# KiCad board Marble.kicad_pcb (continued)
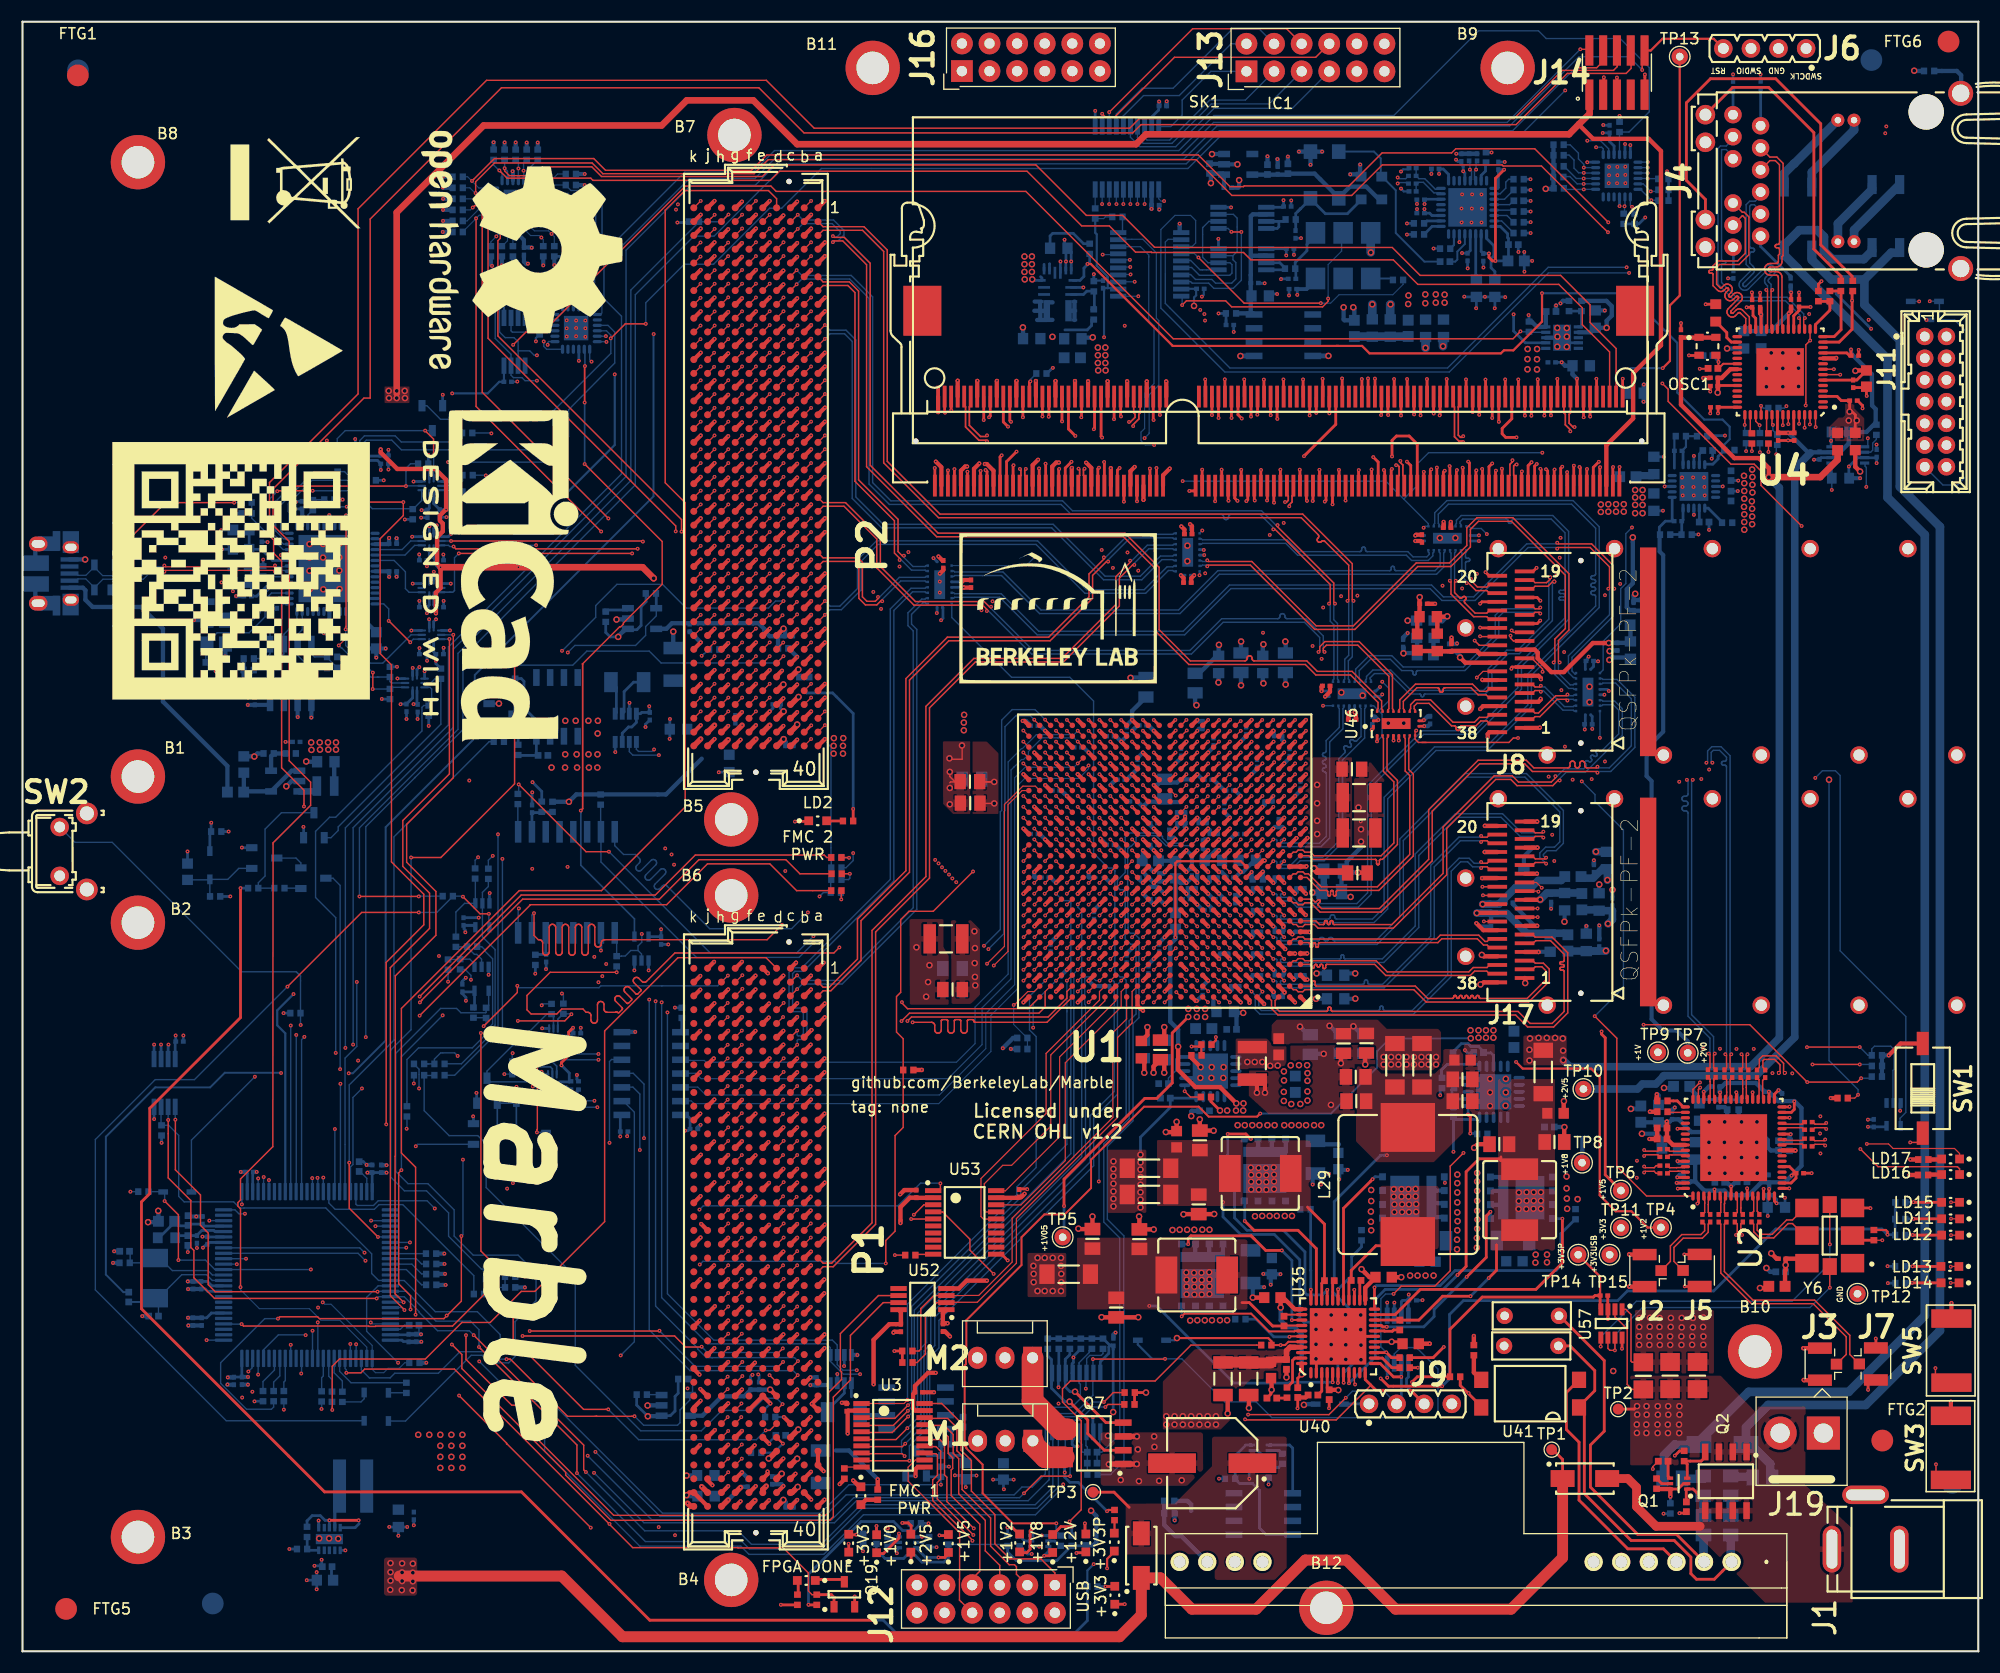
[diagram p0: board, top side]
## Routing (per net, layer and track width the routed paths; a pad name or vN(x,y) marks a point on that pad's centre or on a via; arc(x,y) is an arc through that point) (continued)
  Bottom w0.13: 127.56,135.73 127.48,135.73 127.3,135.55 126.68,135.55 v1(126.57,135.66)
/FPGA/FPGA_33_34/LD16_T: length 56.6
  Top w0.102: v1(106.13,78.77) 105.67,79.23 U1.Y13
  In4.Cu w0.102: v1(106.13,78.77) 104.52,80.38 104.52,94.99 105.1,95.57 105.1,110.09 v1(104.15,111.04)
  Bottom w0.112: 103.65,128.33 103.65,122.48 104.14,122 104.14,116.69 103.27,115.83 103.27,112.55 102.94,112.22 102.94,111.44 103.34,111.04 v1(104.15,111.04) ; 103.65,128.33 103.65,128.41 ; 103.65,128.33 103.65,128.53 102.89,129.29 U42.8
/FPGA/FPGA_33_34/LD17_T: length 59.5
  Top w0.102: U1.V12 v1(107.12,77.73)
  In4.Cu w0.102: v1(103.27,111.67) 104.09,111.67 105.97,109.79 105.97,108.45 105.46,107.94 105.46,95.63 104.73,94.91 104.73,80.75 106.46,79.02 106.46,78.39 v1(107.12,77.73)
  Bottom w0.112: 100.83,129.98 103.1,129.98 104.35,128.73 104.35,128.73 104.35,122.71 104.58,122.48 104.58,116.55 103.69,115.66 103.69,112.09 v1(103.27,111.67)
/FPGA/FPGA_33_34/VCXO_EN_T: length 53.1
  Top w0.11: 109.61,77.23 v1(110.11,77.73)
  In9.Cu w0.102: 104.05,122.61 106.75,119.9 106.75,111.08 108.05,109.79 108.05,99.89 107.46,99.3 107.46,98.01 108.18,97.3 108.18,88.23 108.78,87.62 108.78,83.13 108.79,83.12 108.79,81.54 109.75,80.58 109.75,78.09 v1(110.11,77.73)
  In9.Cu w0.112: v1(102.69,124.73) 102.69,123.97 104.05,122.61
  Bottom w0.112: v1(102.69,124.73) 100.88,124.73 100.83,124.78
/FPGA/FPGA_33_34/WR_DAC1_SYNC_T: length 53.4
  Top w0.102: U1.W10 v1(109.09,78.7)
  In9.Cu w0.102: 103.72,122.43 106.32,119.83 106.32,110.87 107.72,109.48 107.72,107.08 ; 107.72,107.08 107.72,107.19 ; 107.72,107.08 107.72,104.1 107.84,103.97 107.84,103.63 107.66,103.45 107.66,100 107.19,99.52 107.19,97.58 107.87,96.89 107.87,87.94 108.5,87.3 108.5,84.82 108.46,84.78 108.46,81.45 108.66,81.24 108.66,80.71 109.45,79.92 109.45,79.06 v1(109.09,78.7)
  In9.Cu w0.112: 103.78,122.37 102.36,123.79 v1(102.36,126.06)
  Bottom w0.112: 100.83,126.08 100.84,126.06 v1(102.36,126.06)
/FPGA/FPGA_33_34/WR_DAC2_SYNC_T: length 53.7
  Top w0.11: 107.64,79.2 v1(108.14,79.7)
  In9.Cu w0.102: 105.99,106.86 105.99,106.99 ; 105.99,106.86 105.99,109.38 105.23,110.14 105.23,115.81 104.93,116.12 104.93,119.47 102.64,121.76 ; 105.99,106.86 105.99,96.54 106.75,95.77 106.75,81.61 107.49,80.87 107.49,80.35 v1(108.14,79.7)
  In9.Cu w0.112: v1(101.91,128.08) 101.9,128.07 101.42,128.07 101.28,127.93 101.28,123.12 102.64,121.76
  Bottom w0.112: 100.83,128.03 100.89,128.08 v1(101.91,128.08)
/FPGA/FPGA_33_34/WR_DAC_DIN_T: length 52.3
  Top w0.11: 108.6,79.21 v1(109.1,79.71)
  In9.Cu w0.102: v1(109.1,79.71) 108.46,80.36 108.46,81.02 108.07,81.4 107.96,81.4 107.79,81.57 107.79,86.61 107.6,86.8 107.6,96.58 106.94,97.24 106.94,99.21 106.64,99.51 106.64,102.67 106.99,103.02 106.99,107.42 107.11,107.53 107.11,107.87 106.99,107.98 106.99,109.46 105.94,110.52 105.94,119.54 103.29,122.19
  In9.Cu w0.112: 103.29,122.19 101.98,123.5 101.98,126.73 v1(101.98,126.74)
  Bottom w0.112: v1(101.98,126.74) 100.84,126.74 100.83,126.73
/FPGA/FPGA_33_34/WR_DAC_SCLK_T: length 54.7
  Top w0.102: U1.V11 107.62,77.24 v1(108.11,77.73)
  In9.Cu w0.102: 102.97,121.92 105.6,119.29 105.6,110.24 106.28,109.55 106.28,97.06 107.21,96.13 107.21,86.55 107.49,86.27 107.49,81.4 107.79,81.1 107.79,80.53 108.58,79.75 108.58,78.2 v1(108.11,77.73)
  In9.Cu w0.112: v1(101.95,127.42) 101.65,127.12 101.65,123.24 102.97,121.92
  Bottom w0.112: 100.83,127.38 100.88,127.42 v1(101.95,127.42)
/FPGA/FPGA_DONE: length 189.8
  Top w0.102: U1.J7 v1(112.12,67.73)
  Top w0.127: R162.2 72.66,5.21 72.34,5.54 72.34,7.2 70.03,9.52 65.86,9.52 65.83,9.54 56.16,9.54 54.01,11.69 54.01,11.71 39.75,25.97 31.49,25.97 31.15,25.63 v1(29.8,25.63)
  Top w0.254: Q19.1 74.69,4.97 74.44,5.21 R162.2
  In2.Cu w0.102: v1(105.12,63.74) 105.12,63.74 105.78,64.4 105.78,66.69 106.48,67.4 111.54,67.4 111.87,67.73 v1(112.12,67.73)
  In2.Cu w0.127: v1(50.16,72.2) 49.99,72.03 49.99,22.87 54.02,18.84 v1(54.02,11.73)
  In9.Cu w0.102: 67.03,72.84 50.8,72.84 v1(50.16,72.2) ; 80.87,67.43 80.88,67.41 90.29,67.41 90.33,67.38 102.96,67.38 103.77,66.57 103.77,65.57 104.25,65.08 104.29,65.08 104.77,64.61 104.77,64.09 v1(105.12,63.74)
  In9.Cu w0.127: 67.03,72.84 67.38,72.84 71.35,68.87 77.93,68.87 79.37,67.43 80.87,67.43
  Bottom w0.127: v1(29.8,25.63) 29.8,25.91 29.69,26.03 29.69,26.96 U54.81
/FPGA/FPGA_INT: length 68
  Top w0.127: 83.81,42.39 84.41,42.39 84.48,42.46 v1(84.48,43.07)
  In4.Cu w0.127: v1(62.3,40.66) 61.44,40.66 60.96,41.14 v1(20.19,41.14)
  Bottom w0.127: v1(20.19,41.14) 20.18,41.14 20.18,42.31 ; v1(62.3,40.66) 62.64,41 80.55,41 82.65,43.09 84.5,43.09
/FPGA/FPGA_MGT/GBX_MUX/MGT_MUX_PD: length 225
  Top w0.102: v1(168.94,51.22) 168.63,50.92 R300.1
  Top w0.254: v1(124.66,83.76) 124.67,83.77 124.67,84.3
  In2.Cu w0.127: v1(125.14,89.25) 125.39,89.25 128.19,92.05 128.19,96 128.01,96.18 128.01,98.44 128.95,99.38 v1(128.95,103.42) ; v1(139.87,110.33) 139.87,111.34 143.08,114.54 144.8,114.54 145.95,113.4 145.95,112.28 149.98,108.25 149.98,104.95 148.48,103.44 v1(148.13,103.44)
  In4.Cu w0.102: v1(108.58,103.17) 107.79,103.95 107.79,105.73 106.78,106.75 106.78,112.59 104.06,115.31 84,115.31 83.64,114.95 83.64,113.33 84.76,112.21 86.59,112.21 89.46,109.34 89.46,107.6 93.16,103.89 v1(93.16,100.73)
  In4.Cu w0.127: v2(166.27,80.23) 166.27,85.56 148.38,103.44 v1(148.13,103.44)
  Bottom w0.102: 85.53,99.94 92.37,99.94 v1(93.16,100.73)
  Bottom w0.127: v1(148.13,103.44) 147.56,102.88 147.56,98.28 147.09,97.81 147.09,94.58 145.47,92.97 145.47,90.33 145.18,90.04 ; 127.12,106.06 129.39,103.8 U50.2 129.09,103.55 v1(128.95,103.42) ; 127.12,106.06 128.39,107.33 128.39,109.31 129.41,110.33 v1(139.87,110.33) ; 127.12,106.06 125.47,107.71 v1(106.78,107.71) ; 124.83,86.57 124.35,87.04 U48.2 ; 124.83,86.57 125.8,87.54 125.8,88.59 v1(125.14,89.25) ; 124.83,86.57 125.13,86.26 125.13,84.23 v1(124.66,83.76) ; v2(166.27,80.23) 166.27,54.37 168.94,51.7 v1(168.94,51.22) ; v1(108.58,103.17) 108.33,102.91 108.33,102.9
/FPGA/FPGA_MGT/GBX_MUX/MGT_RX_6_FMC_N: length 50.1
  Bottom w0.13: 85.53,98.94 85.7,98.94 85.78,99.02 90.1,99.02 93.6,95.52 106.53,95.52 110.15,99.14 130.14,99.14 130.8,99.8 130.8,101.1 130.89,101.18 U50.16
/FPGA/FPGA_MGT/GBX_MUX/MGT_RX_6_FMC_P: length 50.1
  Bottom w0.13: 85.53,99.44 85.7,99.44 85.78,99.35 90.24,99.35 93.74,95.85 106.39,95.85 110.01,99.47 125.82,99.47 125.85,99.47 125.88,99.48 125.91,99.5 125.93,99.53 125.95,99.55 125.96,99.59 125.97,99.62 125.97,99.72 125.97,99.76 125.98,99.79 126,99.82 126.02,99.84 126.05,99.86 126.08,99.87 126.12,99.87 126.15,99.87 126.18,99.86 126.21,99.84 126.23,99.82 126.25,99.79 126.26,99.76 126.27,99.72 126.27,99.62 126.27,99.59 126.28,99.55 126.3,99.53 126.32,99.5 126.35,99.48 126.38,99.47 126.42,99.47 130,99.47 130.47,99.94 130.47,101.1 130.39,101.18 U50.17
/FPGA/FPGA_MGT/GBX_MUX/MGT_RX_7_FMC_N: length 22.9
  Bottom w0.13: 108.33,101.9 108.5,101.9 108.59,101.98 116.26,101.98 117.35,100.89 127.36,100.89 127.84,100.41 129.38,100.41 129.8,100.83 129.8,101.1 129.89,101.18 U50.18
/FPGA/FPGA_MGT/GBX_MUX/MGT_RX_7_FMC_P: length 22.9
  Bottom w0.13: 108.33,102.4 108.5,102.4 108.59,102.31 116.4,102.31 117.49,101.22 123.07,101.22 123.11,101.23 123.15,101.24 123.18,101.26 123.21,101.29 123.23,101.32 123.24,101.36 123.25,101.4 123.25,101.47 123.25,101.51 123.27,101.55 123.29,101.58 123.31,101.61 123.35,101.63 123.38,101.64 123.42,101.65 123.46,101.64 123.5,101.63 123.53,101.61 123.56,101.58 123.58,101.55 123.59,101.51 123.6,101.47 123.6,101.4 123.6,101.36 123.62,101.32 123.64,101.29 123.66,101.26 123.7,101.24 123.73,101.23 123.77,101.22 127.5,101.22 127.98,100.74 129.24,100.74 129.47,100.97 129.47,101.1 129.39,101.18 U50.19
/FPGA/FPGA_MGT/GBX_MUX/MGT_TX_6_FMC_N: length 79.4
  Top w0.13: v1(141.25,101.49) 141.36,101.6 144.28,101.6 146.06,99.82 146.06,97.92 v1(145.95,97.81)
  Bottom w0.13: 142.98,89.54 142.9,89.63 142.75,89.63 142.28,90.09 142.28,91.63 146.06,95.41 146.06,97.7 v1(145.95,97.81) ; 85.53,96.94 85.7,96.94 85.78,97.02 89.93,97.02 93.39,93.56 106.96,93.56 111.22,97.82 129.55,97.82 130.64,96.73 133.69,96.73 138.57,101.6 141.14,101.6 v1(141.25,101.49)
/FPGA/FPGA_MGT/GBX_MUX/MGT_TX_6_FMC_P: length 79.4
  Top w0.13: v1(141.25,102.04) 141.36,101.93 144.41,101.93 146.39,99.96 146.39,97.92 v1(146.5,97.81)
  Bottom w0.13: 142.98,90.04 142.9,89.96 142.88,89.96 142.61,90.23 142.61,91.49 146.39,95.27 146.39,97.7 v1(146.5,97.81) ; 85.53,97.44 85.7,97.44 85.78,97.35 90.07,97.35 93.52,93.89 106.82,93.89 111.08,98.15 129.68,98.15 130.77,97.06 133.56,97.06 138.44,101.93 141.14,101.93 v1(141.25,102.04)
/FPGA/FPGA_MGT/GBX_MUX/MGT_TX_7_FMC_N: length 55.5
  Top w0.13: v1(109.04,99.87) 109.15,99.98 113,99.98 118.93,94.06 122.62,94.06 128.41,99.85 131.46,99.85 133.26,101.65 133.26,103.27 134,104.02 137.03,104.02 142,99.05 142,94.14 141.03,93.18 141.03,91.13 v1(140.92,91.02)
  Bottom w0.13: 108.33,99.9 108.5,99.9 108.59,99.98 108.93,99.98 v1(109.04,99.87) ; 142.98,88.54 142.81,88.54 142.73,88.63 142.31,88.63 141.03,89.9 141.03,90.91 v1(140.92,91.02)
/FPGA/FPGA_MGT/GBX_MUX/MGT_TX_7_FMC_P: length 55.5
  Top w0.13: v1(141.47,91.02) 141.36,91.13 141.36,93.04 142.33,94 142.33,99.19 137.17,104.35 133.86,104.35 132.93,103.41 132.93,101.79 131.32,100.18 128.28,100.18 122.48,94.39 119.06,94.39 113.14,100.31 109.15,100.31 v1(109.04,100.42)
  Bottom w0.13: v1(141.47,91.02) 141.36,90.91 141.36,90.04 142.44,88.96 142.73,88.96 142.81,89.04 142.98,89.04 ; 108.33,100.4 108.5,100.4 108.59,100.31 108.93,100.31 v1(109.04,100.42)
/FPGA/FPGA_MGT/MGT_CLK_0_N: length 51.8
  Top w0.127: 113.59,63.26 114.09,62.76
  Top w0.13: v1(149.25,44.62) 149.36,44.51 150.17,44.51 150.36,44.7 C33.1
  In9.Cu w0.1: 114.09,62.76 113.73,62.41 113.73,62.01 113.74,62.01 113.74,61.59 113.98,61.35 127.64,61.35 130.56,58.43 136.56,58.43 137.29,57.69 142.81,57.69 145.56,54.94 145.56,50.66 145.56,50.62 145.57,50.58 145.6,50.55 145.62,50.52 145.66,50.5 145.69,50.49 145.73,50.48 145.78,50.48 145.81,50.48 145.85,50.46 145.88,50.44 145.91,50.42 145.93,50.38 145.95,50.35 145.95,50.31 145.95,50.27 145.93,50.23 145.91,50.2 145.88,50.17 145.85,50.15 145.81,50.14 145.78,50.13 145.73,50.13 145.69,50.13 145.66,50.11 145.62,50.09 145.6,50.07 145.57,50.03 145.56,50 145.56,49.96 145.56,46.35 147.42,44.49 149.12,44.49 v1(149.25,44.62)
  vias: v1(114.09,62.73)
/FPGA/FPGA_MGT/MGT_CLK_0_P: length 51.7
  Top w0.127: 112.59,63.26 113.09,62.76
  Top w0.13: v1(149.25,44.07) 149.36,44.18 150.17,44.18 150.36,43.99 C289.1
  In9.Cu w0.1: 113.09,62.76 113.45,62.41 113.45,61.57 113.95,61.06 115.26,61.06 115.27,61.06 127.52,61.06 130.44,58.14 136.44,58.14 137.17,57.4 142.69,57.4 145.27,54.82 145.27,46.23 147.43,44.07 v1(149.25,44.07)
  vias: v1(113.09,62.73)
/FPGA/FPGA_MGT/MGT_CLK_1_N: length 56.2
  Top w0.127: 113.6,65.23 v1(114.1,64.73)
  Top w0.13: v1(149.25,46.14) 149.36,46.03 150.5,46.03 C32.1
  In9.Cu w0.1: v1(149.25,46.14) 149.12,46.01 148.39,46.01 147.31,47.09 147.31,50.39 147.31,50.43 147.33,50.46 147.35,50.5 147.38,50.52 147.41,50.55 147.45,50.56 147.48,50.56 147.53,50.56 147.57,50.57 147.6,50.58 147.64,50.6 147.67,50.63 147.69,50.66 147.7,50.7 147.7,50.74 147.7,50.78 147.69,50.81 147.67,50.85 147.64,50.87 147.6,50.9 147.57,50.91 147.53,50.91 147.48,50.91 147.45,50.92 147.41,50.93 147.38,50.95 147.35,50.98 147.33,51.01 147.31,51.05 147.31,51.09 147.31,59.28 144.08,62.52 140.07,62.52 137.43,59.88 131.4,59.88 127.9,63.38 114.37,63.38 113.98,63.38 113.75,63.61 113.75,64.38 v1(114.1,64.73)
/FPGA/FPGA_MGT/MGT_CLK_1_P: length 56.2
  Top w0.127: 112.6,65.23 v1(113.1,64.73)
  Top w0.13: v1(149.25,45.59) 149.36,45.7 150.5,45.7 C288.1
  In9.Cu w0.1: v1(113.1,64.73) 113.46,64.38 113.46,63.49 113.86,63.09 113.93,63.09 113.93,63.09 114.24,63.09 114.25,63.09 127.78,63.09 131.28,59.59 137.55,59.59 140.19,62.23 143.96,62.23 147.02,59.16 147.02,46.97 148.27,45.72 149.12,45.72 v1(149.25,45.59)
/FPGA/FPGA_MGT/MGT_CLK_2_N: length 69.3
  Top w0.127: U1.H5 v1(114.12,66.73)
  Top w0.13: C31.1 164.78,48.01 164.96,48.19 165.9,48.19 v1(166.01,48.08)
  In9.Cu w0.1: v1(114.12,66.73) 113.76,66.38 113.76,65.6 113.98,65.39 157.77,65.39 167.1,56.06 167.1,48.9 166.41,48.21 166.14,48.21 v1(166.01,48.08)
/FPGA/FPGA_MGT/MGT_CLK_2_P: length 69.3
  Top w0.127: U1.H6 v1(113.12,66.73)
  Top w0.13: C35.1 164.79,48.71 164.98,48.52 165.9,48.52 v1(166.01,48.63)
  In9.Cu w0.1: v1(166.01,48.63) 166.14,48.5 166.29,48.5 166.81,49.02 166.81,55.94 165.27,57.48 165.23,57.5 165.19,57.52 165.15,57.53 165.1,57.53 165.06,57.52 165.02,57.5 164.99,57.48 164.98,57.47 164.94,57.44 164.9,57.42 164.86,57.41 164.81,57.41 164.77,57.42 164.73,57.44 164.69,57.47 164.67,57.5 164.65,57.54 164.64,57.59 164.64,57.63 164.65,57.67 164.67,57.71 164.69,57.75 164.7,57.76 164.73,57.79 164.75,57.83 164.76,57.88 164.76,57.92 164.75,57.97 164.73,58.01 164.7,58.04 157.65,65.1 113.86,65.1 113.47,65.48 113.47,66.38 v1(113.12,66.73)
/FPGA/FPGA_MGT/MGT_CLK_3_N: length 75.2
  Top w0.127: U1.K5 v1(114.12,68.73)
  Top w0.13: C30.1 164.77,46.48 164.96,46.67 165.8,46.67 v1(165.91,46.56)
  In9.Cu w0.1: v1(114.12,68.73) 113.76,68.38 113.76,67.58 113.98,67.37 131.17,67.37 132.21,66.33 159.44,66.33 168.44,57.33 168.44,47.12 168.01,46.69 166.04,46.69 v1(165.91,46.56)
/FPGA/FPGA_MGT/MGT_CLK_3_P: length 75.2
  Top w0.127: U1.K6 v1(113.12,68.73)
  Top w0.13: v1(165.91,47.11) 165.8,47 164.95,47 164.76,47.19 C34.1
  In9.Cu w0.1: v1(113.12,68.73) 113.47,68.38 113.47,67.46 113.86,67.08 131.05,67.08 132.09,66.04 159.32,66.04 165.54,59.82 165.57,59.78 165.59,59.74 165.6,59.7 165.6,59.66 165.59,59.61 165.57,59.57 165.54,59.54 165.53,59.53 165.5,59.49 165.48,59.45 165.47,59.41 165.47,59.36 165.48,59.32 165.5,59.28 165.53,59.24 165.57,59.22 165.61,59.2 165.65,59.19 165.7,59.19 165.74,59.2 165.78,59.22 165.81,59.24 165.82,59.25 165.86,59.28 165.9,59.3 165.94,59.31 165.99,59.31 166.03,59.3 166.07,59.28 166.11,59.25 168.15,57.21 168.15,47.24 167.89,46.98 166.04,46.98 v1(165.91,47.11)
/FPGA/FPGA_MGT/MGT_CLK_Crosspoint/EXT0_CLK_C_N: length 1.8
  Top w0.13: U2.3 154.82,41.82 154.82,41.26 154.82,41.26 154.82,40.39 154.64,40.21
/FPGA/FPGA_MGT/MGT_CLK_Crosspoint/EXT0_CLK_C_P: length 1.8
  Top w0.13: U2.4 155.15,41.82 155.15,41.12 155.15,41.12 155.15,40.39 C94.1
/FPGA/FPGA_MGT/MGT_CLK_Crosspoint/EXT0_CLK_N: length 7.2
  Top w0.13: J2.1 151.66,35.89 151.66,37.31 152.71,38.36 154.47,38.36 154.82,38.71 154.82,39.33 154.64,39.51
/FPGA/FPGA_MGT/MGT_CLK_Crosspoint/EXT0_CLK_P: length 7.2
  Top w0.13: C94.2 155.15,39.33 155.15,38.57 154.6,38.03 152.85,38.03 151.99,37.17 151.99,35.89 J5.1
/FPGA/FPGA_MGT/MGT_CLK_Crosspoint/EXT1_CLK_C_N: length 1.8
  Top w0.13: C83.1 156.3,40.4 156.3,41.31 156.32,41.34 156.32,41.82 U2.6
/FPGA/FPGA_MGT/MGT_CLK_Crosspoint/EXT1_CLK_C_P: length 1.8
  Top w0.13: U2.7 156.65,41.82 156.65,41.2 156.63,41.18 156.63,40.4 C95.1
/FPGA/FPGA_MGT/MGT_CLK_Crosspoint/EXT1_CLK_N: length 21.6
  Top w0.13: C83.2 156.3,39.32 156.3,34.81 159.13,31.99 164.81,31.99 167.85,28.95 167.85,27.32 J3.1
/FPGA/FPGA_MGT/MGT_CLK_Crosspoint/EXT1_CLK_P: length 21.6
  Top w0.13: C95.2 156.63,39.32 156.63,34.95 159.26,32.32 164.94,32.32 168.18,29.09 168.18,27.32 J7.1
/FPGA/FPGA_MGT/MGT_CLK_Crosspoint/FMC1_GBTCLK0_M2C_C_N: length 1.9
  Top w0.13: U2.35 160.15,50.89 160.15,52.55 160.27,52.67
/FPGA/FPGA_MGT/MGT_CLK_Crosspoint/FMC1_GBTCLK0_M2C_C_P: length 1.9
  Top w0.13: 159.76,52.67 159.82,52.61 159.82,50.89 U2.36
/FPGA/FPGA_MGT/MGT_CLK_Crosspoint/FMC1_GBTCLK1_M2C_C_N: length 2.1
  Top w0.13: U2.38 158.65,50.89 158.65,51.9 158.65,51.91 158.65,52.57 158.84,52.76 C87.1
/FPGA/FPGA_MGT/MGT_CLK_Crosspoint/FMC1_GBTCLK1_M2C_C_P: length 2.1
  Top w0.13: U2.39 158.32,50.89 158.32,51.77 158.32,51.77 158.32,52.59 158.13,52.78 C99.1
/FPGA/FPGA_MGT/MGT_CLK_Crosspoint/FMC2_GBTCLK0_M2C_C_N: length 1.9
  Top w0.13: 157.17,51.07 157.17,51.07 157.17,52.63 C88.1 ; U2.41 157.15,50.89
/FPGA/FPGA_MGT/MGT_CLK_Crosspoint/FMC2_GBTCLK0_M2C_C_P: length 2
  Top w0.13: C100.1 156.84,52.63 156.84,51.47 156.84,51.47 156.84,51.15 156.79,51.1 ; U2.42 156.82,50.89
/FPGA/FPGA_MGT/MGT_CLK_Crosspoint/FMC2_GBTCLK1_M2C_C_N: length 2.1
  Top w0.13: U2.44 155.65,50.89 155.65,52.57 155.64,52.58 155.64,52.65 C89.1
/FPGA/FPGA_MGT/MGT_CLK_Crosspoint/FMC2_GBTCLK1_M2C_C_P: length 2.1
  Top w0.13: U2.45 155.32,50.89 155.32,52.43 155.31,52.44 155.31,52.65 C101.1
/FPGA/FPGA_MGT/MGT_CLK_Crosspoint/FPGA_REF_CLK0_C_N: length 1.8
  Top w0.13: 157.64,40.21 157.82,40.4 157.82,40.67 157.82,40.67 157.82,41.82 U2.9
/FPGA/FPGA_MGT/MGT_CLK_Crosspoint/FPGA_REF_CLK0_C_P: length 1.8
  Top w0.13: U2.10 158.15,41.82 158.15,40.81 158.15,40.8 158.15,40.4 C96.1
/FPGA/FPGA_MGT/MGT_CLK_Crosspoint/MGT_CLK_0_C_N: length 1.8
  Top w0.13: C33.2 151.59,44.51 152.24,44.51 152.25,44.52 152.95,44.52 U2.60
/FPGA/FPGA_MGT/MGT_CLK_Crosspoint/MGT_CLK_0_C_P: length 1.8
  Top w0.13: C289.2 151.59,44.18 152.37,44.18 152.38,44.19 152.95,44.19 U2.61
/FPGA/FPGA_MGT/MGT_CLK_Crosspoint/MGT_CLK_1_C_N: length 1.8
  Top w0.13: U2.57 152.95,46.02 151.94,46.02 151.93,46.03 151.58,46.03 C32.2
/FPGA/FPGA_MGT/MGT_CLK_Crosspoint/MGT_CLK_1_C_P: length 1.8
  Top w0.13: C288.2 151.58,45.7 151.79,45.7 151.8,45.69 152.95,45.69 U2.58
/FPGA/FPGA_MGT/MGT_CLK_Crosspoint/MGT_CLK_2_C_N: length 2.1
  Top w0.13: 163.98,48.02 163.81,48.19 162.02,48.19 U2.28
/FPGA/FPGA_MGT/MGT_CLK_Crosspoint/MGT_CLK_2_C_P: length 2.1
  Top w0.13: U2.29 162.02,48.52 163.82,48.52 163.98,48.68
/FPGA/FPGA_MGT/MGT_CLK_Crosspoint/MGT_CLK_3_C_N: length 2.1
  Top w0.13: U2.25 162.02,46.69 163.78,46.69 163.95,46.52
/FPGA/FPGA_MGT/MGT_CLK_Crosspoint/MGT_CLK_3_C_P: length 2.1
  Top w0.13: U2.26 162.02,47.02 163.84,47.02 163.95,47.13
/FPGA/FPGA_MGT/MGT_CLK_Crosspoint/SI570_CLK_C_N: length 1.8
  Top w0.13: U2.12 159.33,41.82 159.33,40.5 159.13,40.3 C85.1
/FPGA/FPGA_MGT/MGT_CLK_Crosspoint/SI570_CLK_C_P: length 1.8
  Top w0.13: C97.1 159.85,40.32 159.65,40.51 159.65,41.82 U2.13
/FPGA/FPGA_MGT/MGT_CLK_Crosspoint/VTTI: length 18.1
  Top w0.254: v1(157.73,51.45) 157.74,51.44 U2.40 ; v1(157.25,42.79) 157.25,41.92 U2.8
  In9.Cu w0.254: v1(157.25,42.79) 157.56,43.1 157.56,51.28 v1(157.73,51.45)
  Bottom w0.254: 154.33,50.52 154.59,50.78 C327.1 156.11,50.76 C371.1 C372.1 157.86,50.85 157.86,51.22 157.73,51.35 v1(157.73,51.45)
  Bottom w0.4: C366.1 157.68,43.22 v1(157.25,42.79) 156.87,43.17 C364.1 ; 153.53,51.86 153.53,51.74 154.02,51.25 154.02,50.83 154.33,50.52
/FPGA/FPGA_MGT/MGT_CLK_Crosspoint/VTTO: length 20.7
  Top w0.4: v1(163.17,46.09) 163.15,46.11 U2.24 ; U2.56 151.9,46.61 C373.1 C376.1 151.35,48.74 v1(151.33,48.76)
  Bottom w0.4: L8.1 C370.2 151.27,48.7 v1(151.33,48.76) 151.6,48.76 C369.1 152.41,48.97 153.59,47.79 159.89,47.79 160.63,47.06 160.63,46.38 160.91,46.1 C368.1 161.64,46.07 C367.1 162.65,46.09 v1(163.17,46.09)
/FPGA/FPGA_MGT/MGT_RX_4_N: length 19.4
  Top w0.127: U1.R3 v1(116.12,74.73)
  Bottom w0.13: U48.8 121.11,86.87 121.19,86.78 121.19,85.05 119.98,83.83 119.98,82.88 119.97,82.84 119.96,82.81 119.94,82.78 119.92,82.75 119.88,82.73 119.85,82.72 119.77,82.71 119.74,82.7 119.71,82.68 119.68,82.65 119.66,82.62 119.65,82.58 119.65,82.55 119.65,82.53 119.65,82.49 119.66,82.46 119.68,82.43 119.71,82.4 119.74,82.38 119.77,82.37 119.85,82.36 119.88,82.35 119.92,82.33 119.94,82.3 119.96,82.27 119.97,82.23 119.98,82.2 119.98,82.18 119.97,82.14 119.96,82.11 119.94,82.08 119.92,82.05 119.88,82.03 119.85,82.02 119.77,82.01 119.74,82 119.71,81.98 119.68,81.95 119.66,81.92 119.65,81.88 119.65,81.85 119.65,81.83 119.65,81.79 119.66,81.76 119.68,81.73 119.71,81.7 119.74,81.68 119.77,81.67 119.85,81.66 119.88,81.65 119.92,81.63 119.94,81.6 119.96,81.57 119.97,81.53 119.98,81.5 119.98,81.48 119.97,81.44 119.96,81.41 119.94,81.38 119.92,81.35 119.88,81.33 119.85,81.32 119.77,81.31 119.74,81.3 119.71,81.28 119.68,81.25 119.66,81.22 119.65,81.18 119.65,81.15 119.65,81.13 119.65,81.09 119.66,81.06 119.68,81.03 119.71,81 119.74,80.98 119.77,80.97 119.85,80.96 119.88,80.95 119.92,80.93 119.94,80.9 119.96,80.87 119.97,80.83 119.98,80.8 119.98,75 119.38,74.4 115.89,74.4 115.78,74.51 115.78,74.66 115.85,74.73 v1(116.12,74.73)
/FPGA/FPGA_MGT/MGT_RX_4_P: length 19.4
  Top w0.127: U1.R4 v1(115.12,74.73)
  Bottom w0.13: U48.7 121.61,86.87 121.53,86.78 121.53,84.91 120.31,83.69 120.31,74.86 119.51,74.07 115.76,74.07 115.45,74.37 115.45,74.66 115.38,74.73 v1(115.12,74.73)
/FPGA/FPGA_MGT/MGT_RX_5_N: length 22
  Top w0.127: U1.N3 v1(116.12,72.73)
  Bottom w0.13: U48.4 123.11,86.87 123.19,86.78 123.19,84.21 122.81,83.83 122.78,83.8 122.74,83.78 122.7,83.77 122.65,83.77 122.61,83.78 122.57,83.8 122.53,83.83 122.5,83.86 122.46,83.89 122.42,83.91 122.38,83.92 122.34,83.92 122.29,83.91 122.25,83.89 122.22,83.86 122.19,83.82 122.17,83.78 122.16,83.74 122.16,83.7 122.17,83.65 122.19,83.61 122.22,83.58 122.25,83.54 122.28,83.51 122.3,83.47 122.31,83.43 122.31,83.38 122.3,83.34 122.28,83.3 122.25,83.26 122.21,83.23 122.17,83.21 122.13,83.2 122.08,83.2 122.04,83.21 122,83.23 121.97,83.26 121.93,83.29 121.9,83.32 121.86,83.34 121.81,83.35 121.77,83.35 121.73,83.34 121.69,83.32 121.65,83.29 121.62,83.26 121.6,83.22 121.59,83.17 121.59,83.13 121.6,83.09 121.62,83.05 121.65,83.01 121.68,82.98 121.71,82.94 121.73,82.9 121.74,82.86 121.74,82.82 121.73,82.77 121.71,82.73 121.68,82.7 121.16,82.17 121.16,74.6 119.65,73.1 117.45,73.1 116.75,72.39 115.88,72.39 115.77,72.5 115.77,72.66 115.84,72.72 116.11,72.72
/FPGA/FPGA_MGT/MGT_RX_5_P: length 22
  Top w0.127: U1.N4 v1(115.12,72.73)
  Bottom w0.13: 115.11,72.72 115.37,72.72 115.44,72.65 115.44,72.36 115.74,72.06 116.89,72.06 117.59,72.77 119.79,72.77 121.48,74.46 121.48,82.03 123.53,84.07 123.53,86.78 123.61,86.87 U48.3
/FPGA/FPGA_MGT/MGT_RX_6_N: length 66.3
  Top w0.127: U1.L3 v1(116.12,69.73)
  Bottom w0.13: U50.8 132.39,103.73 132.3,103.81 132.3,103.97 132.55,104.22 136.56,104.22 136.6,104.22 136.64,104.2 136.67,104.18 136.7,104.15 136.72,104.12 136.73,104.08 136.74,104.04 136.74,103.99 136.74,103.96 136.75,103.92 136.77,103.89 136.8,103.86 136.83,103.84 136.87,103.82 136.91,103.82 136.95,103.82 136.99,103.84 137.02,103.86 137.05,103.89 137.07,103.92 137.08,103.96 137.09,103.99 137.09,104.04 137.09,104.08 137.1,104.12 137.12,104.15 137.15,104.18 137.18,104.2 137.22,104.22 137.26,104.22 140.7,104.22 141.97,102.95 141.97,97.81 141.96,97.78 141.95,97.75 141.93,97.72 141.91,97.7 141.88,97.68 141.85,97.67 141.81,97.66 141.56,97.66 141.53,97.66 141.5,97.65 141.47,97.63 141.45,97.61 141.43,97.58 141.42,97.55 141.41,97.51 141.42,97.48 141.43,97.45 141.45,97.42 141.47,97.4 141.5,97.38 141.53,97.37 141.56,97.36 141.81,97.36 141.85,97.36 141.88,97.35 141.91,97.33 141.93,97.31 141.95,97.28 141.96,97.25 141.97,97.21 141.96,97.18 141.95,97.15 141.93,97.12 141.91,97.1 141.88,97.08 141.85,97.07 141.81,97.06 141.56,97.06 141.53,97.06 141.5,97.05 141.47,97.03 141.45,97.01 141.43,96.98 141.42,96.95 141.41,96.91 141.42,96.88 141.43,96.85 141.45,96.82 141.47,96.8 141.5,96.78 141.53,96.77 141.56,96.76 141.81,96.76 141.85,96.76 141.88,96.75 141.91,96.73 141.93,96.71 141.95,96.68 141.96,96.65 141.97,96.61 141.97,95.13 137.63,90.79 137.63,88.7 133.66,84.74 128.82,84.74 123.79,79.71 123.79,69.82 122.8,68.82 117.44,68.82 116.87,69.4 115.89,69.4 115.78,69.5 115.78,69.66 115.85,69.73 116.12,69.73
/FPGA/FPGA_MGT/MGT_RX_6_P: length 66.3
  Top w0.127: U1.L4 v1(115.12,69.73)
  Bottom w0.13: U50.7 131.89,103.73 131.97,103.81 131.97,104.11 132.42,104.55 140.83,104.55 142.29,103.09 142.29,94.99 137.96,90.65 137.96,88.56 133.8,84.41 128.96,84.41 124.12,79.57 124.12,69.68 122.94,68.49 117.31,68.49 116.73,69.07 115.76,69.07 115.45,69.37 115.45,69.65 115.38,69.73 115.12,69.73
/FPGA/FPGA_MGT/MGT_RX_7_N: length 76.1
  Top w0.127: U1.J3 v1(116.12,67.73)
  Bottom w0.13: U50.4 130.39,103.73 130.3,103.81 130.3,104.66 131.23,105.59 142.57,105.59 144.78,103.37 144.78,99.19 144.78,99.15 144.77,99.11 144.75,99.08 144.72,99.05 144.69,99.03 144.65,99.01 144.61,99.01 144.52,99.01 144.48,99.01 144.44,98.99 144.41,98.97 144.38,98.94 144.36,98.91 144.35,98.87 144.35,98.84 144.35,98.8 144.36,98.76 144.38,98.73 144.41,98.7 144.44,98.68 144.48,98.66 144.52,98.66 144.61,98.66 144.65,98.66 144.69,98.64 144.72,98.62 144.75,98.59 144.77,98.56 144.78,98.52 144.78,98.49 144.78,98.45 144.77,98.41 144.75,98.38 144.72,98.35 144.69,98.33 144.65,98.31 144.61,98.31 144.52,98.31 144.48,98.31 144.44,98.29 144.41,98.27 144.38,98.24 144.36,98.21 144.35,98.17 144.35,98.14 144.35,98.1 144.36,98.06 144.38,98.03 144.41,98 144.44,97.98 144.48,97.96 144.52,97.96 144.61,97.96 144.65,97.96 144.69,97.94 144.72,97.92 144.75,97.89 144.77,97.86 144.78,97.82 144.78,97.79 144.78,97.75 144.77,97.71 144.75,97.68 144.72,97.65 144.69,97.63 144.65,97.61 144.61,97.61 144.52,97.61 144.48,97.61 144.44,97.59 144.41,97.57 144.38,97.54 144.36,97.51 144.35,97.47 144.35,97.44 144.35,97.4 144.36,97.36 144.38,97.33 144.41,97.3 144.44,97.28 144.48,97.26 144.52,97.26 144.61,97.26 144.65,97.26 144.69,97.24 144.72,97.22 144.75,97.19 144.77,97.16 144.78,97.12 144.78,97.09 144.78,96.22 138.54,89.97 138.54,87.11 134.68,83.25 129.95,83.25 125.31,78.61 125.31,68.47 124.25,67.4 120.97,67.4 120.93,67.41 120.89,67.42 120.85,67.45 120.82,67.48 120.79,67.52 120.78,67.56 120.77,67.65 120.75,67.69 120.73,67.73 120.7,67.76 120.66,67.78 120.62,67.8 120.57,67.8 120.56,67.8 120.52,67.8 120.48,67.78 120.44,67.76 120.41,67.73 120.38,67.69 120.37,67.65 120.36,67.56 120.34,67.52 120.32,67.48 120.29,67.45 120.25,67.42 120.21,67.41 120.16,67.4 115.89,67.4 115.78,67.51 115.78,67.67 115.85,67.73 116.12,67.73
